# Altium PCB LKS_EVB_MVPOWPRE_V5.0.PcbDoc (part 2 of 2)
Units mil, origin at the board's own origin, x right, y up, seen from the top; angles counter-clockwise.
Board outline 11300 x 7874.02 mil, 2 copper layers (Top Layer, Bottom Layer); 150 components, 96 nets, 404 pads, 334 vias.
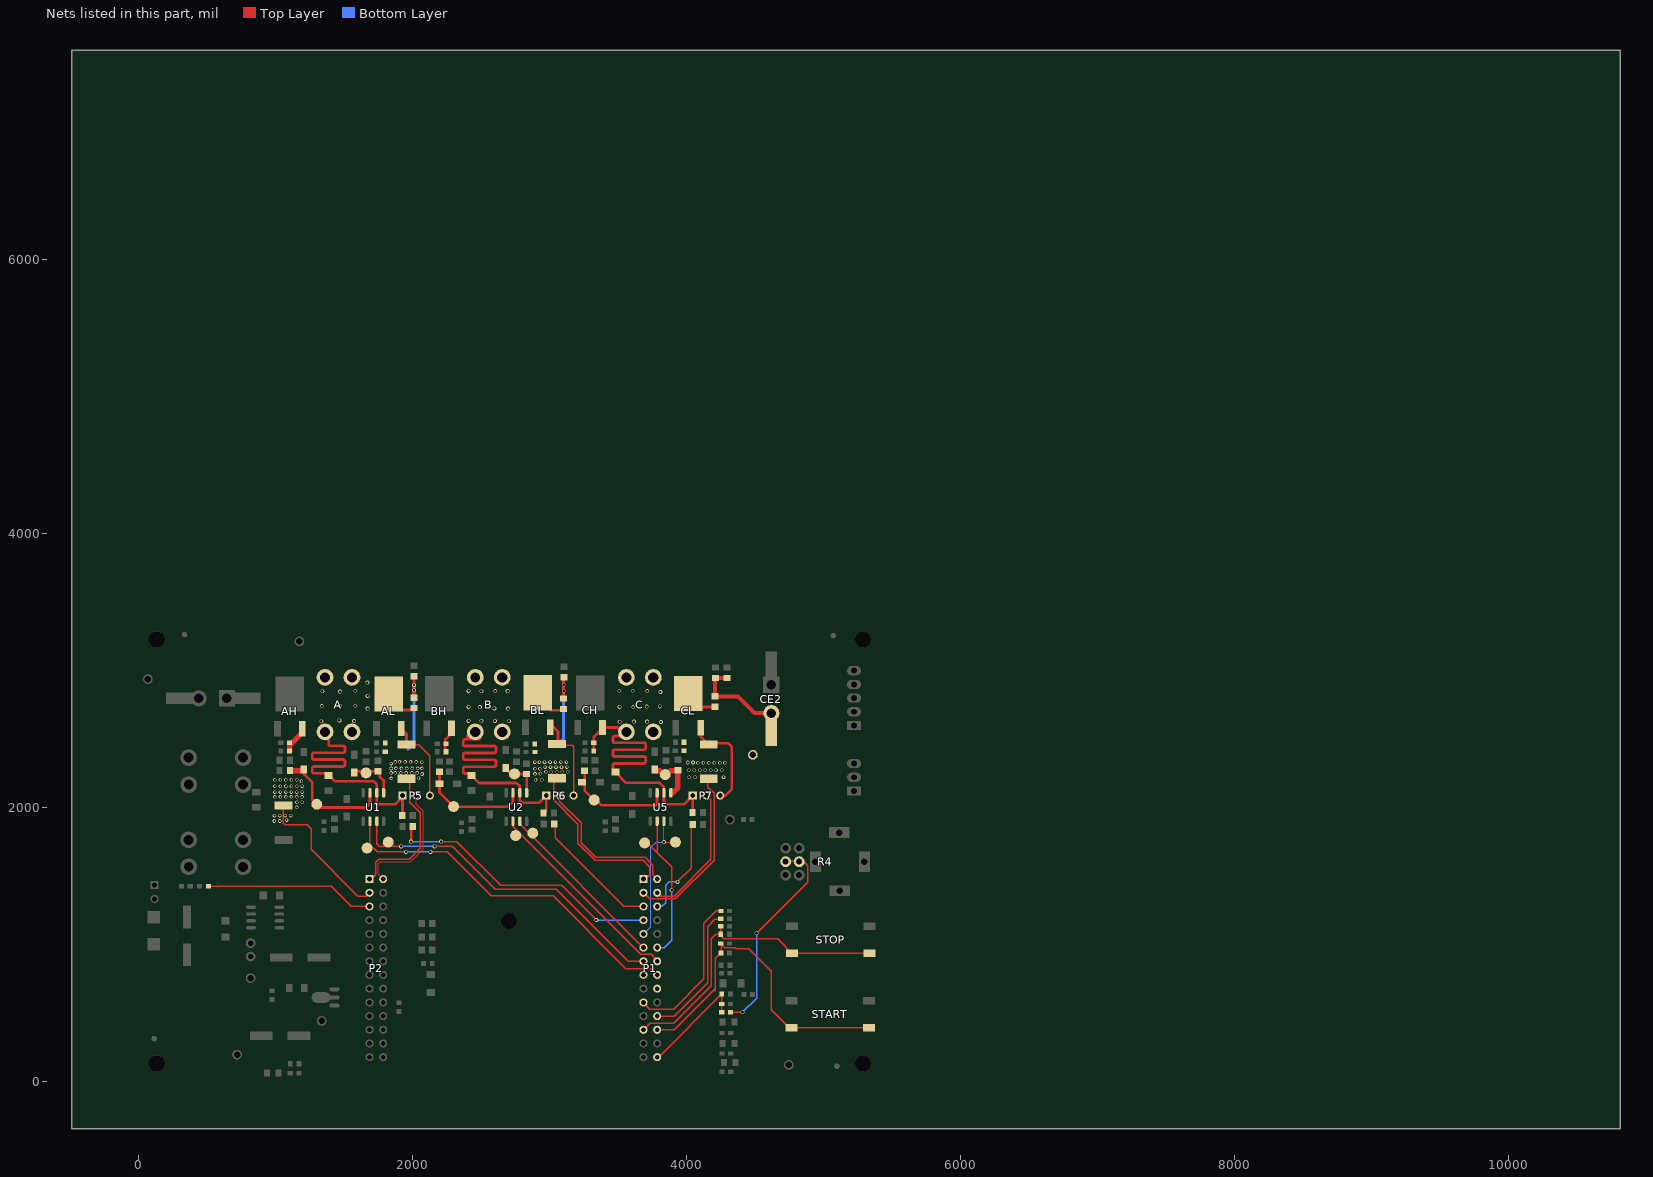
[diagram p2: the nets of this part, all layers, seen from the top]

## Via types
v1: diameter 26, hole 16, Top Layer to Bottom Layer, 130 vias
v2: diameter 28, hole 18, Top Layer to Bottom Layer, 77 vias
v3: diameter 26, hole 18, Top Layer to Bottom Layer, 55 vias
v4: diameter 28, hole 20, Top Layer to Bottom Layer, 54 vias
v5: diameter 23.62, hole 15.75, Top Layer to Bottom Layer, 14 vias
v6: diameter 27.99, hole 20, Top Layer to Bottom Layer, 4 vias

## Nets (pads, with @x,y where several pads share a name; then routed paths per layer and width w, separated by ;. In a path a pad name is that pad's centre, name@x,y a point inside that pad or via, vN(x,y) a via of type N, cw(c..) or ccw(c..) an arc to the next point about the centre after c; other vN are vias at no path point) (continued)
PGND: C25.1 C26.1 C27.1 CE2.2 G1.1 P1.1 P1.2 P2.1 P2.2 R15.2 R16.1 R17.2 R28.1 R29.1 R30.1 R49.2 R69.1 | length 6483
  Top Layer w10: R69.1@1054.64,2011.11 1054.64,1884.12 1067.42,1871.33 1228.67,1871.33 1256.18,1843.82 1256.18,1692.96 1598.21,1350.93 1661.68,1350.93 ; P2.1@1692.67,1471.01 1727.92,1506.26 1727.92,1597.92 1751.19,1621.19 1974.19,1621.19 2054.38,1701.38 2054.38,1959.09 1975.85,2037.61 R15.2@1975.85,2199.1 ; R16.1@3026.4,2195.53 3026.4,2052.72 3204.47,1874.66 3204.47,1735.48 3329.09,1610.86 3682.02,1610.86 3730.05,1562.83 3730.05,1508.37 3696.87,1475.19 P1.1@3682.62,1475.19 ; P1.2@3682.62,1375.19 3727.73,1330.08 3915.11,1330.08 4197.64,1612.61 4197.64,2100.51 4150.95,2147.2 4150.83,2147.2 R17.2@4150.83,2198.71
  Top Layer w20: R28.1@2007.36,2802.08 C25.1@2007.36,2941.01 ; R29.1@3099.13,2793.46 C26.1@3099.13,2931.12
  Top Layer w30: C27.1@4203.92,2942.41 4203.92,2808.13 4372.39,2808.13 4494.4,2686.11 CE2.2@4615.74,2686.11 ; C27.1@4204.13,2942.2 R49.2@4303.26,2942.2
  Bottom Layer w20: 1963.13,2423.19 2007.36,2467.42 v2@2007.36,2889.83 ; 3067.37,2467.7 3099.18,2499.51 v3(3099.18,2893.01)
  other v1: 988.91,1899.15 1027.94,1899.15 1077.76,1905.51 988.91,1938.79 1027.94,1938.79 1067.42,1938.79 1108.08,1938.79 1152.21,1998 1152.65,2036.08 1191.44,2036.08 992.21,2075.37 1032.21,2075.37 1072.21,2075.37 1112.21,2075.37 1152.21,2075.37 1192.21,2075.37 992.21,2110 1032.21,2110 1072.21,2110 1112.21,2110 1152.21,2110 1192.21,2110 992.21,2153.24 1032.21,2153.24 1072.21,2153.24 1112.21,2153.24 1152.21,2153.24 1191.44,2153.63 1186,2190 992.21,2200.54 1032.21,2200.54 1072.21,2200.54 1112.21,2200.54 1152.21,2200.54 2895.06,2200.54 2940,2200.54 1842.79,2210 2041.26,2211.01 4016.05,2217.85 4060,2217.85 4266.76,2220 2066.55,2242 2890.81,2242.5 2930,2244.54 1840,2250 1870.86,2250 1910.86,2250 1950.86,2250 1990.86,2250 2030.86,2250 2970,2259.16 3010,2259.16 3050,2259.16 3090,2259.16 3130,2259.16 4012.91,2269.54 4052.91,2269.54 4092.91,2269.54 4132.91,2269.54 4172.91,2269.54 4212.91,2269.54 4254.12,2269.54 2890,2280.93 2926.25,2280.93 1840.91,2282.5 1875.17,2283.1 1915.17,2283.1 1955.17,2283.1 1995.17,2283.1 2035.17,2283.1 2065,2283.1 2964.02,2292.27 3004.02,2292.27 3044.02,2292.27 3084.02,2292.27 3124.02,2292.27 1840,2318 4080,2324.18 4120,2324.18 4160,2324.18 4200,2324.18 4240,2324.18 4277.03,2324.43 4006,2326 4044,2326 2065,2328 2890,2329.16 2923.26,2329.16 2960,2329.16 3000,2329.16 3040,2329.16 3080,2329.16 3120,2329.16 2024.05,2330.26 1870.86,2330.6 1902.23,2330.6 1942.23,2330.6 1982.23,2330.6
  other v2: 2007.36,2853.62 2007.36,2892.65
  other v3: 3099.19,2849.89
PU: P1.4 R55.1 | length 2039.3
  Top Layer w10: v2(2204.99,1749.27) 2321,1749.27 2639.29,1430.98 3085.99,1430.98 3339,1177.97 v2(3339,1176.63)
  Top Layer w20: v2(1986.61,1749.27) R55.1@1986.61,1854.53
  Bottom Layer w10: v2(1986.61,1749.27) v2(2204.99,1749.27) ; v2(3339,1176.63) 3339.72,1175.91 3681.9,1175.91 P1.4@3682.23,1175.58
PV: P1.3 R59.1 | length 928.2
  Top Layer w10: 3037.12,1850.89 3037.12,1775.34 3537.27,1275.19 P1.3@3682.62,1275.19
PW: P1.17 R61.1 | length 758.7
  Top Layer w10: v2(3930.83,1454.77) 4031.4,1555.34 R61.1@4031.4,1874.57
  Bottom Layer w10: P1.17@3782.62,1275.19 3817.4,1275.19 3845.92,1303.71 3845.92,1431.14 3869.56,1454.77 v2(3930.83,1454.77)
RXD0: P1.25 R9.1 | length 1002.1
  Top Layer w10: P1.25@3782.62,475.19 3906.46,475.19 4150,718.73 4150,1127.58 4202.9,1180.48 R9.1@4253.03,1180.48
RXD1: P1.23
SPIN: C19.2 P1.28 R42.2 R43.2 | length 796.1
  Top Layer w10: P1.28@3782.62,175.19 3792.98,175.19 C19.2@4254.37,636.63 ; R42.2@4254.37,503.95 C19.2@4254.37,636.63 ; C19.2@4254.76,636.97 C19.2@4254.37,636.63
START1: C2.2 P1.26 R7.2 START.2 START.4 | length 2400.7
  Top Layer w10: P1.26@3782.62,375.19 3907.1,375.19 4203.83,671.92 ; 4206.88,657.72 4206.88,895.59 4242.39,931.1 C2.2@4254.41,931.1 ; C2.2@4250.17,938.74 R7.2@4250.17,994.53 ; R7.2@4250.68,996.98 4273.94,973.72 4350.97,973.72 4356.31,968.39 4451.82,968.39 4616.45,803.76 4616.45,520.71 START.2@4762.71,374.44 ; START.2@4764.7,389.13 START.4@5329.64,389.13
STOP1: C3.1 P1.12 R13.1 STOP.2 STOP.4 | length 2268
  Top Layer w10: P1.12@3682.62,375.19 3684.11,375.19 3732.88,423.96 3904.57,423.96 4178.27,697.66 4178.27,1040.69 4209.96,1072.38 C3.1@4247,1072.38 ; R13.1@4247.41,1122.52 4247.41,1062.67 C3.1@4246.51,1061.77 ; STOP.2@4765.66,933.83 4660.82,1038.67 4345.16,1038.67 4269.6,1038.67 C3.1@4246.51,1061.77 ; STOP.2@4766.4,933.98 STOP.4@5333.33,933.98 ; C3.1@4246.51,1061.77 4246.51,1062.82 4252.77,1061.77 C3.1@4246.51,1061.77
TXD0: P1.10 R12.2 | length 1120.6
  Top Layer w10: P1.10@3682.62,575.19 3682.62,573.73 3729.86,526.49 3902.86,526.49 4123.15,746.78 4123.15,1153.46 4212.07,1242.38 R12.2@4247.38,1242.38
TXD1: P1.8
U_N: P1.7 T2.1 U1.3 | length 2466.8
  Top Layer w10: U1.3@1736.11,1897.79 1736.11,1732.69 1755.5,1713.3 v2(1913.52,1713.3) ; v2(2157.85,1713.3) 2286.7,1713.3 2600,1400 3045.72,1400 3570.53,875.19 P1.7@3682.62,875.19
  Bottom Layer w10: v2(1913.52,1713.3) v2(2157.85,1713.3)
U_N-: D8.2 R22.2 T4.1 U1.5 | length 353
  Top Layer w20: D8.2@1571.43,2252.91 1581.52,2263 R22.2@1745.67,2263 1757.04,2251.63 1757.04,2223.35 1786.11,2194.28 U1.5@1786.11,2105.16
U_P: P1.22 T1.1 U1.2 | length 2665.2
  Top Layer w10: U1.2@1686.11,1897.79 1686.11,1726.5 1739.15,1673.47 v2(1949.5,1673.47) ; v2@2123.58,1673.47 2251.53,1673.47 2571.78,1353.22 3022.26,1353.22 3553.51,821.97 3735.84,821.97 P1.22@3782.62,775.19
  Bottom Layer w10: v2(1949.5,1673.47) v2(2126.92,1673.47)
U_P+: D3.2 R11.1 T3.1 U1.7 | length 890.9
  Top Layer w20: D3.2@1203.41,2271.83 1203.41,2241.95 1265.27,2180.09 1265.27,2054.14 T3.1@1297.78,2021.63 1321.4,1998 1655.72,1998 1686.11,2028.4 U1.7@1686.11,2104.79
  Top Layer w40: R11.1@1102,2266 1197.58,2266 1203.41,2271.83 D3.2@1203.41,2282.54
UI: AL.3 C11.2 P5.3 R15.1 R31.1 | length 657.8
  Top Layer w10: R15.1@1953.12,2457.26 2041.26,2457.26 2124.05,2374.46 P5.3@2124.05,2084.61
  Top Layer w20: AL.3@1907.6,2590.59 1907.6,2578.05 1953.12,2532.53 R15.1@1953.12,2446.68
UP: P2.15 P5.2 | length 898.4
  Top Layer w8: P2.15@1782.62,1475.19 1748.06,1509.75 1748.06,1586.91 1763.28,1602.13 1982.13,1602.13 2074.06,1694.06 2074.06,1970.06 2024.05,2020.07 P5.2@2024.05,2075.37
UX: A.1 AH.3 AL.2 C7.2 C28.2 P5.1 R1.2 R21.1 R28.2 U1.6 | length 2430.4
  Top Layer w20: R21.1@1098.67,2469.24 R21.1@1099.35,2469.91 ; A.1@1364.68,2508.84 1384.47,2489.06 1384.47,2462.5 ccw(c1399.47,2462.5) 1399.47,2447.5 1489.47,2447.5 cw(c1489.47,2432.5) 1504.47,2432.5 1504.47,2412.5 cw(c1489.47,2412.5) 1489.47,2397.5 1279.47,2397.5 ccw(c1279.47,2382.5) 1264.47,2382.5 1264.47,2362.5 ccw(c1279.47,2362.5) 1279.47,2347.5 1489.47,2347.5 cw(c1489.47,2332.5) 1504.47,2332.5 1504.47,2312.5 cw(c1489.47,2312.5) 1489.47,2297.5 1279.47,2297.5 ccw(c1279.47,2282.5) 1264.47,2282.5 1264.47,2262.5 ccw(c1279.47,2262.5) 1279.47,2247.5 1369.47,2247.5 cw(c1369.47,2232.5) 1384.46,2232.69 cw(c1369.47,2232.5) C28.2@1384.47,2232.5 ; C28.2@1382.65,2230.41 1387.65,2230.41 1428.06,2190 1710.52,2190 1736.11,2164.41 U1.6@1736.11,2104.79 1736.11,2035.15 1750.16,2021.1 1869.78,2021.1 1924.05,2075.37 R1.2@1924.05,1940.22 ; AL.2@1850.99,2777.28 1850.99,2759.79 1900.57,2710.21 R28.2@1998.27,2710.21 ; P5.1@1924.05,2071.07 P5.1@1925.47,2072.49
  Top Layer w40: C7.2@1099.35,2411.48 1099.35,2450.31 1191.38,2542.35 AH.3@1191.38,2573.85
  other v2: 1331.6,2627.07 1570.26,2628.61 1462.48,2633.23 1668.8,2720 1333.91,2737.93 1467.87,2737.93 1578.73,2740 1668.8,2812.61 1467.87,2843.4 1338.53,2845.71 1578.73,2849.56 1667.66,2908.9
V_N: P1.6 T6.1 U2.3 | length 1314.9
  Top Layer w10: U2.3@2779.94,1901 2779.94,1877.87 P1.6@3682.62,975.19 ; P1.6@3690.59,972.72 P1.6@3690.59,987.92
V_N-: D10.2 R24.2 T8.1 U2.5 | length 307.6
  Top Layer w20: D10.2@2677.05,2286.97 2677.05,2281.46 2716.51,2242 R24.2@2829.94,2242 U2.5@2829.94,2109.17
V_P: P1.21 T5.1 U2.2 | length 1495.7
  Top Layer w10: U2.2@2729.94,1901 2729.94,1859.76 3663.93,925.77 3738.92,925.77 P1.21@3780.36,884.34
V_P+: D9.2 R23.1 T7.1 U2.7 | length 812
  Top Layer w20: R23.1@2193.35,2257.93 D9.2@2193.35,2169.59 2193.35,2107.33 T7.1@2296.5,2004.18 2296.9,2003.78 2691.84,2003.78 2729.94,2041.88 U2.7@2729.94,2104.79 U2.7@2729.94,2108
VI: BL.3 C20.2 P6.3 R16.2 R45.1 | length 647.2
  Top Layer w10: R16.2@3069.22,2452.72 3162.43,2452.72 3172.79,2442.37 P6.3@3172.79,2084.61
  Top Layer w20: BL.3@2998.69,2592.01 3018.44,2592.01 3058.8,2551.65 R16.2@3058.8,2446.89
VOL_ADC: P2.3 R75.2 | length 1241.3
  Top Layer w10: R75.2@502.86,1423.85 1402.56,1423.85 1551.22,1275.19 P2.3@1682.62,1275.19
VP: P1.15 P6.2 | length 1113.8
  Top Layer w10: P6.2@3072.79,2084.61 3072.79,2040.53 3228.42,1884.9 3228.42,1741.58 3335.36,1634.64 3694.4,1634.64 3751.62,1577.42 3751.62,1506.19 P1.15@3782.62,1475.19
VX: B.1 BH.3 BL.2 C16.2 C29.2 P6.1 R2.2 R29.2 R39.1 U2.6 | length 2533.7
  Top Layer w20: C16.2@2236.13,2404.29 2236.13,2494.84 BH.3@2282.81,2541.52 ; 2397.09,2515.18 2416.34,2495.93 ; C29.2@2426.51,2232.17 2482.68,2176 2756.51,2176 2779.94,2152.57 2779.94,2048.48 2795.9,2032.51 2920.7,2032.51 P6.1@2972.79,2084.61 2972.79,1977.87 R2.2@2952.16,1957.24 ; C29.2@2432.64,2230.24 2416.95,2245.93 2381.33,2245.93 cw(c2381.33,2260.93) 2366.33,2260.93 2366.33,2280.93 cw(c2381.33,2280.93) 2381.33,2295.93 2591.33,2295.93 ccw(c2591.33,2310.93) 2606.33,2310.93 2606.33,2330.93 ccw(c2591.33,2330.93) 2591.33,2345.93 2381.33,2345.93 cw(c2381.33,2360.93) 2366.33,2360.93 2366.33,2380.93 cw(c2381.33,2380.93) 2381.33,2395.93 2591.33,2395.93 ccw(c2591.33,2410.93) 2606.33,2410.93 2606.33,2430.93 ccw(c2591.33,2430.93) 2591.33,2445.93 2381.33,2445.93 cw(c2381.33,2460.93) 2366.33,2460.93 2366.33,2480.93 cw(c2381.33,2480.93) 2381.33,2495.93 2416.34,2495.93 ; B.1@2486.33,2502.19 cw(c2480.08,2502.19) 2480.08,2495.93 2416.34,2495.93 ; BL.2@2958.42,2755.46 3006.07,2707.81 R29.2@3099.15,2707.81
  other v2: 2700.76,2626.75 2406.43,2630 2597.97,2629.4 2498.97,2631.15 2694.72,2719.23 2594.23,2720.88 2488.8,2730.76 2406.43,2732.41 2499.51,2846.07 2600,2846.9 2690.6,2846.9 2406.43,2848.55
W_N: P1.5 T10.1 U5.3 | length 998
  Top Layer w7.87: U5.3@3832.06,1894.22 v2(3832.06,1745.36) T10.1@3915.7,1745.36
  Bottom Layer w7.87: P1.5@3682.62,1075.19 3735.91,1128.48 3735.91,1706.19 3775.07,1745.36 v2(3832.06,1745.36)
W_N-: D12.2 R26.2 T12.1 U5.5 | length 382.7
  Top Layer w20: U5.5@3882.06,2101.22 U5.5@3882.06,2104.79
  Top Layer w40: D12.2@3764.75,2275.04 3764.75,2269.53 3768.77,2265.51 3802.34,2265.51 3830.24,2237.61 T12.1@3841.07,2237.61 3851.89,2237.61 3881.29,2267 3930,2267 R26.2@3933,2270 3933,2142.37 3897,2106.37 ; T12.1@3846.44,2224 T12.1@3846.6,2224
W_P: P1.20 T9.1 U5.2 | length 1179.6
  Top Layer w10: T9.1@3691.07,1738.42 3713.42,1738.42 3798.2,1653.63 ; U5.2@3782.06,1894.22 3782.06,1669.09 3887.7,1563.44 v2(3887.7,1393.54)
  Bottom Layer w10: P1.20@3782.62,975.19 3835.62,975.19 3887.7,1027.28 v2(3887.7,1393.54)
W_P+: D11.2 R25.1 T11.1 U5.7 | length 775.6
  Top Layer w20: R25.1@3253,2266 3253,2121.87 T11.1@3322.69,2052.18 ; T11.1@3343.01,2044.95 3374.72,2013.23 3769.68,2013.23 3782.06,2025.61 U5.7@3782.06,2101.22
WI: C34.2 CL.3 P7.3 R17.1 R63.1 | length 720.1
  Top Layer w20: CL.3@4099.96,2578.67 4099.96,2517.38 R17.1@4159.26,2458.08 ; R17.1@4175.37,2465.89 4302.15,2465.89 4326.22,2441.82 4326.22,2130.48 4280.34,2084.61 P7.3@4242.39,2084.61
WP: P1.16 P7.2 | length 994.5
  Top Layer w10: P1.16@3782.62,1375.19 3806.76,1351.05 3907.8,1351.05 4175.37,1618.62 4175.37,2053.74 4144.5,2084.61 P7.2@4142.39,2084.61
WX: C24.2 C30.2 C.1 CH.3 CL.2 P7.1 R3.2 R30.2 R50.1 U5.6 | length 2780.2
  Top Layer w20: C24.2@3319.99,2409.07 3319.99,2512.3 CH.3@3384.66,2576.98 ; CH.3@3384.25,2581.28 3490.4,2581.28 C.1@3548.18,2523.5 ; C30.2@3474.41,2269.54 cw(c3474.41,2284.54) 3459.41,2284.54 3459.41,2304.54 cw(c3474.41,2304.54) 3474.41,2319.54 3684.41,2319.54 ccw(c3684.41,2334.54) 3699.41,2334.54 3699.41,2354.54 ccw(c3684.41,2354.54) 3684.41,2369.54 3474.41,2369.54 cw(c3474.41,2384.54) 3459.41,2384.54 3459.41,2404.54 cw(c3474.41,2404.54) 3474.41,2419.54 3684.41,2419.54 ccw(c3684.41,2434.54) 3699.41,2434.54 3699.41,2454.54 ccw(c3684.41,2454.54) 3684.41,2469.54 3474.41,2469.54 cw(c3474.41,2484.54) 3459.41,2484.54 3459.41,2504.54 cw(c3474.41,2504.54) 3474.41,2519.54 3570.95,2519.54 ccw(c3570.95,2528.01) C.1@3579.41,2528.01 ; C30.2@3477.64,2256.04 3555.68,2178 3799.22,2178 3831.29,2145.92 3831.29,2105.55 U5.6@3832.06,2104.79 3832.06,2041.06 3852.31,2020.81 3978.59,2020.81 P7.1@4042.39,2084.61 ; CL.2@4009.41,2830.64 4108.19,2731.86 R30.2@4205.02,2731.86 ; R3.2@4042.39,1966.26 P7.1@4042.39,2092.38
  other v2: 3810,2621.72 3507.98,2623.63 3612.44,2624.9 3708.42,2624.9 3608.08,2730.44 3507.98,2732.17 3706.46,2733.89 3801.38,2735.62 3806.55,2840.9 3709.91,2847.8 3506.26,2849.53 3604.63,2849.53
ZB: R4.3 R4.5 R42.1 | length 1528.1
  Top Layer w10: R42.1@4314.88,503.39 v4(4405,503.39) ; v4@4508.26,1080.84 4880,1452.58 4880,1572.7 4847.49,1605.2 R4.5@4817.62,1605.2 ; R4.3@4719.87,1604.09 R4.5@4816.46,1604.09
  Bottom Layer w10: v4(4405,503.39) 4508.01,606.39 v4@4508.01,1080.46
  other v4: 4508.07,1080.22
pads on no net: R4.0 U4.3 U4.6

## Polygon pours and split planes (outlines as drawn)
GND on Top Layer "Bottom Layer-No Net" (solid, remove dead copper, pour order 59): 232,989.63 661.77,989.63 661.77,613.23 661.77,565.92 710.33,500 728.74,475 882.77,475 882.77,23.48 881.64,25.01 306.12,25.01 232,25.01
PGND on Top Layer "PGND_L01_P084" (solid, pour order 84): 1800.67,2350.77 1800.67,2186.33 1828.68,2158.32 2088.73,2158.32 2100,2169.59 2100,2341.12 2091,2350.12
PGND on Top Layer "PGND_L01_P083" (solid, pour order 83): 2873,2350 2873,2165 2889.29,2148.71 3135.51,2148.71 3151,2164.2 3151,2348 3152,2349
PGND on Top Layer "PGND_L01_P082" (solid, pour order 82): 3979,2347 3979,2153 3997.39,2134.61 4284.6,2134.61 4301,2151 4301,2347
PGND on Top Layer "Bottom Layer-No Net" (solid, remove dead copper, pour order 68): 972.01,2219.44 972.01,1899.15 1221.02,1899.15 1221.02,2197.68 1221.02,2220.5
GND on Top Layer "Top Layer-No Net 1" (solid, remove dead copper, pour order 79): 1225,1097 1225,798 1405,798 1405,897.16 1405,1097
GND on Top Layer "Bottom Layer-No Net" (solid, remove dead copper, pour order 78): 620,650 663.17,606.83 706.07,606.83 1126.81,606.83 1145.52,588.12 1151.55,582.09 1151.55,388.12 1126.63,388.12 1038.68,300.17 863.74,125.24 720,125.24
+5V on Top Layer "Bottom Layer-No Net" (solid, remove dead copper, pour order 62): 1084.55,495.6 1348.8,495.6 1382.65,495.6 1373.61,484.59 1373.61,184.4 1084.55,184.4
+15V on Top Layer "Bottom Layer-No Net" (solid, remove dead copper, pour order 53): 675,948.95 675,631.45 981.93,631.45 1010.28,659.8 1054.68,704.2 1054.68,948.95
GND on Top Layer "Bottom Layer-No Net" (solid, remove dead copper, pour order 76): 836.51,1813.88 1108.08,1813.88 1125.59,1796.37 1128.6,1793.37 1128.6,1642.32 875.52,1642.32 832,1685.83
WI on Top Layer "Top Layer-No Net" (solid, remove dead copper, pour order 46): 3969.62,2639.07 4243.31,2639.07 4266.47,2639.07 4274.19,2631.35 4281.91,2623.63 4281.91,2504.41 4281.91,2431.51 4239.4,2389 3968.57,2389
VI on Top Layer "Top Layer-No Net" (solid, remove dead copper, pour order 51): 2920.78,2638.24 2924.02,2641.48 3100.86,2641.48 3126.25,2641.48 3130.93,2636.79 3140.7,2627.03 3140.7,2469.61 3140.7,2383.67 3136.03,2379 2880.76,2379 2880.76,2638.24
UI on Top Layer "Top Layer-No Net" (solid, remove dead copper, pour order 54): 1827.43,2629.4 1793.17,2595.14 1793.17,2397.5 1800.67,2390 2037.8,2390 2040.98,2393.17 2040.98,2516.3 2040.98,2623.29 2033.12,2631.15
WX on Top Layer "Bottom Layer-No Net" (solid, remove dead copper, pour order 69): 3491.39,3026.45 3459.81,2994.88 3459.81,2969.05 3459.81,2687.07 3424.66,2651.91 3392.37,2619.63 3392.37,2588.06 3392.37,2544.29 3398.11,2538.55 3438.29,2498.37 3719.55,2498.37 3809.95,2498.37 3828.61,2517.03 3834.35,2522.77 3834.35,2605.28 3834.35,2647.61 3847.97,2661.23 3858.02,2671.28 3934.79,2671.28 3983.58,2671.28 4013,2700.7 4018.74,2706.44 4018.74,2908.78 4018.74,2968.33 4010.85,2976.22 3993.63,2993.44 3820,2993.44 3787.71,2993.44 3753.99,3027.16
VX on Top Layer "Bottom Layer-No Net" (solid, remove dead copper, pour order 70): 2388.57,3013.8 2357,2982.22 2357,2956.39 2357,2674.42 2321.84,2639.26 2289.55,2606.97 2289.55,2575.41 2289.55,2531.64 2295.29,2525.9 2335.47,2485.72 2616.73,2485.72 2707.14,2485.72 2725.79,2504.37 2731.53,2510.11 2731.53,2592.62 2731.53,2634.96 2745.15,2648.58 2755.2,2658.63 2831.97,2658.63 2880.76,2658.63 2910.19,2688.05 2915.93,2693.79 2915.93,2896.13 2915.93,2955.68 2908.03,2963.57 2890.81,2980.79 2717.18,2980.79 2684.89,2980.79 2651.17,3014.51
UX on Top Layer "Bottom Layer-No Net" (solid, remove dead copper, pour order 71): 1300.98,3012.37 1269.41,2980.8 1269.41,2954.97 1269.41,2673 1234.25,2637.84 1201.96,2605.55 1201.96,2573.98 1201.96,2530.22 1207.7,2524.48 1247.88,2484.3 1529.14,2484.3 1619.55,2484.3 1638.2,2502.95 1643.94,2508.69 1643.94,2591.2 1643.94,2633.54 1657.56,2647.16 1667.61,2657.2 1744.38,2657.2 1793.17,2657.2 1822.6,2686.63 1828.34,2692.37 1828.34,2894.7 1828.34,2954.26 1820.44,2962.15 1803.22,2979.37 1629.59,2979.37 1597.3,2979.37 1563.58,3013.09
GND on Top Layer "Bottom Layer-No Net" (solid, remove dead copper, pour order 72): 1056.92,1729.18 1061.21,1729.18 1114.4,1652.94 1122.98,1640.65 1122.98,1538.59 1122.98,1529.98 1108.39,1509.08 1107.54,1510.31 740.39,1510.31 50.69,1510.31 -41.95,1643.11 22.4,1735.34 22.4,1908.71 22.4,1983.71 31.83,1997.24 39.54,2008.29 791,2008.29 823.61,2008.29 840.76,1983.71 865.63,1948.07 865.63,1759.92 865.63,1731.64 864.77,1730.41
GND on Top Layer "Bottom Layer-No Net" (solid, remove dead copper, pour order 66): 275.62,1983.9 225.61,2033.91 225.61,2175.26 225.61,2640.63 298.45,2713.47 450.68,2865.71 450.68,2959.22 450.68,3001.62 415.89,3036.41 401.75,3050.55 221.26,3050.55 126.66,3050.55 51.64,2975.52 19.02,2942.9 19.02,1982.81
+48V on Top Layer "Bottom Layer-No Net" (solid, remove dead copper, pour order 63): 653.24,3316.24 645.5,3316.24 614.5,3285.24 612.95,3283.69 612.95,2948.92 612.95,2807.88 535.45,2730.38 295.97,2490.89 295.97,2411.36 295.97,2157.73 313.82,2139.88 318.47,2135.23 653.24,2135.23 851.63,2135.23 871.78,2155.38 896.58,2180.18 896.58,2218.92 896.58,2673.04 941.52,2717.98 944.63,2714.88 1042.26,2714.88 1161.6,2714.88 1197.26,2750.54 1205,2758.28 1205,2959.76 1205,3035.71 1253.05,3083.76 1511.88,3083.76 1958.24,3083.76 1996.99,3045.01 2102.38,2939.62 2102.38,2869.87 2271.32,2869.87 2274.42,2872.97 2288.37,2886.92 2288.37,2978.36 2288.37,3004.71 2317.82,3034.16 2367.41,3083.76 2517.75,3083.76 3072.61,3083.76 3116,3040.36 3195.05,2961.31 3195.05,2891.57 3202.8,2891.57 3226.04,2868.32 3229.14,2865.22 3363.98,2865.22 3381.03,2865.22 3388.78,2872.97 3388.78,2952.01 3388.78,3031.06 3429.08,3071.36 3433.73,3076.01 4080.03,3076.01 4140.47,3076.01 4185.42,3031.06 4186.97,3032.61 4360.56,3032.61 4388.45,3032.61 4413.25,3007.81 4464.4,2956.66 4464.4,2928.77 4464.4,2893.12 4479.9,2877.62 4484.54,2872.98 4783.68,2872.98 4805.38,2872.98 4831.72,2899.32 4831.71,2899.33 4831.71,3268.18 4831.71,3300.75 4751.13,3381.33
PGND on Top Layer "Bottom Layer-No Net" (solid, remove dead copper, pour order 55): 4373.45,2728.34 4719.43,2728.34 4747.94,2699.83 4758.73,2689.04 4758.73,2397 4758.73,2394.69 4589.21,2225.16 4407.35,2225.16 4370.37,2225.16
GND on Top Layer "Bottom Layer-No Net" (solid, remove dead copper, pour order 48): 996,1130.83 1000.17,1135 1217.31,1135 1367,1135 1405,1097 1394,1086 1394,1032 1008,1032 996,1044
NetCE3_1 on Top Layer "Bottom Layer-No Net" (solid, remove dead copper, pour order 47): 250,1075.19 474.16,1075.19 474.58,1075.61 474.58,1193.58 533.31,1252.31 533.62,1252 747,1252 747,1365 745.61,1363.61 274.49,1363.61 250,1339.13
NetC1_2 on Top Layer "Bottom Layer-No Net" (solid, remove dead copper, pour order 50): 854,1131.07 853.93,1131 795,1131 765.03,1131 750.03,1116 727.03,1093 684,1093 597.92,1093 580,1075.08 580,992.01 580,990.52 600.15,970.37 600.52,970 891,970 892.79,970 910,987.21 910,1092.29
NetR34_1 on Top Layer "Bottom Layer-No Net" (solid, remove dead copper, pour order 52): 570,1228 548.62,1228 533.62,1213 528,1207.38 528,1159 528,1132.62 533.62,1127 546.62,1114 662,1114 701,1114 746,1159 746,1183 746,1210 728,1228
GND on Bottom Layer "Bottom Layer-No Net" (solid, remove dead copper, pour order 64): 1915.23,895.54 1795.55,895.54 1758.68,895.54 1590,726.86 1528.01,664.87 1528.01,239.87 1528.01,-10 1548.01,-30 5160,-30 5160,279.7 5460,279.7 5460,1775.36 5260,1975.36 5241.29,1994.07 4189.35,1994.07 4154.07,1994.07 4110,1950 3999.04,1839.04 3999.04,962.69 3931.89,895.54
PGND on Bottom Layer "PGND_L02_P085" (solid, pour order 85): 1349.35,2180.09 1347.98,2178.72 1347.98,2105 1127.09,1884.12 972.3,1884.12 972.3,2057.05 969.94,2059.41 1030.53,2120 1075,2120
GND on Bottom Layer "Bottom Layer-No Net" (solid, remove dead copper, pour order 65): 277.24,1643.78 227.22,1709.79 227.22,1896.32 227.22,2510.43 300.06,2606.55 452.29,2807.44 452.29,2930.83 452.29,2986.79 417.5,3032.71 403.37,3051.36 222.87,3051.36 128.28,3051.36 53.25,2952.36 20.63,2909.31 20.63,1642.35
GND on Bottom Layer "Top Layer-No Net 1" (solid, remove dead copper, pour order 81): 264,835 550,835 550,672.83 584,638.83 706,638.83 955.51,638.83 997.91,681.23 997.91,814 997.91,835 1430,835 1528.01,736.99 1528.01,275.19 1527.82,275 1527.63,275.19 264,275.19 264,275
GND on Bottom Layer "Top Layer-No Net 1" (solid, remove dead copper, pour order 80): 1005,1095.03 1164.97,1095.03 1165,1095 1354.98,1095 1365,1095 1487,973 1634.37,825.63 1634.37,723 1634.37,661.37 1576,603 1574.17,601.17 1100.87,601.17 1032.83,601.17 1005,629
GND on Bottom Layer "Top Layer-No Net 1" (solid, remove dead copper, pour order 74): 3961.39,1778.69 3197.31,1778.69 3195.67,1780.7 3193.71,1778.29 2731.04,1778.29 2223.29,1778.29 2221.75,1776.4 1868.65,1776.4 1681.46,1776.4 1585.07,1894.73 1584.01,1896.03 1343.84,1896.03 1343.84,1871.33 1310.41,1830.3 1309.71,1829.43 1094.38,1829.43 1094.38,1854.63 1197.81,1981.6 1333.94,2148.71 1362.02,2148.71 3960.59,2148.71 3961.93,2150.36
PGND on Bottom Layer "Top Layer-No Net" (solid, remove dead copper, pour order 73): 1007.88,1976.98 969.94,2014.92 969.94,2103.9 969.94,2423.65 990.45,2444.16 996.32,2450.02 1144.35,2450.02 1162.88,2450.02 1199.99,2412.92 1207.86,2405.05 1590.03,2405.05 1633.65,2405.05 1727.92,2499.32 1732.21,2503.6 2231.15,2503.6 2231.36,2503.6 2322.51,2412.46 2322.6,2412.37 2586.66,2412.37 2739.44,2412.37 2816.92,2489.85 2835.74,2508.67 3283.93,2508.67 3314.35,2508.67 3383.86,2439.16 3396.88,2426.13 3841.46,2426.13 3846.53,2426.13 3921.11,2500.71 3924.73,2504.33 4236.8,2504.33 4249.11,2504.33 4313.55,2568.77 4358.44,2613.66 4358.44,2691.86 4358.44,2717.93 4368.58,2728.06 4374.37,2733.85 4506.87,2733.85 4754.35,2733.85 4772.45,2715.75 4775.5,2712.7 4775.5,2313.9 4775.5,2208.19 4761.02,2193.7 4746.39,2179.08 4207.6,2179.08 1275.04,2179.08 1233.89,2137.93 1159.54,2063.58 1159.54,1992.53 1159.54,1990.77 1145.75,1976.98
+48V on Bottom Layer "Bottom Layer-No Net" (solid, remove dead copper, pour order 61): 650.66,3314.49 642.92,3314.49 611.92,3283.5 610.37,3281.95 610.37,2947.17 610.37,2806.13 532.87,2728.64 293.39,2489.15 293.39,2409.62 293.39,2155.99 311.24,2138.14 315.89,2133.49 650.66,2133.49 849.05,2133.49 869.2,2153.63 894,2178.43 894,2217.18 894,2671.29 938.94,2716.24 942.05,2713.13 1039.68,2713.13 1159.02,2713.13 1194.68,2748.8 1202.42,2756.54 1202.42,2958.02 1202.42,3033.97 1250.47,3082.01 1509.3,3082.01 1955.66,3082.01 1994.41,3043.26 2099.8,2937.87 2099.8,2868.13 2268.74,2868.13 2271.84,2871.23 2285.79,2885.18 2285.79,2976.62 2285.79,3002.97 2315.24,3032.42 2364.83,3082.01 2515.17,3082.01 3070.03,3082.01 3113.42,3038.62 3192.47,2959.57 3192.47,2889.83 3200.22,2889.83 3223.46,2866.58 3226.56,2863.48 3361.4,2863.48 3378.45,2863.48 3386.2,2871.23 3386.2,2950.27 3386.2,3029.32 3426.5,3069.61 3431.15,3074.26 4077.45,3074.26 4137.89,3074.26 4182.84,3029.32 4184.39,3030.87 4357.98,3030.87 4385.87,3030.87 4410.67,3006.07 4461.82,2954.92 4461.82,2927.02 4461.82,2891.38 4477.32,2875.88 4481.96,2871.24 4781.1,2871.24 4802.8,2871.24 4829.14,2897.58 4829.13,2897.58 4829.13,3266.44 4829.13,3299 4748.55,3379.59
GND on Bottom Layer "Bottom Layer-No Net" (solid, remove dead copper, pour order 67): 23.25,2043.25 23.25,1723.7 51.3,1690.85 354.75,1335.47 1216.66,1335.47 1220.49,1335.47 1234.51,1351.9 1233.24,1353.39 1233.24,1502.71 1233.24,1719.22 1256.19,1746.1 1168.21,1849.13 950.19,1849.13 922.14,1849.13 836.71,1949.18 786.98,2007.41 750.01,2007.41
GND on Bottom Layer "Top Layer-No Net" (solid, remove dead copper, pour order 75): 1220.49,1537.69 1312.19,1537.69 1329.57,1555.07 1336.52,1562.02 1336.52,1614.13 1336.52,1861.79 1389.25,1914.52 1397.32,1922.6 1397.32,1971.43 1198.12,1971.43 1168,1941.32 1132.2,1905.51 1132.2,1742.69
UX on Bottom Layer "Bottom Layer-No Net" (solid, remove dead copper, pour order 58): 1300.61,3010.77 1269.04,2979.2 1269.04,2977.76 1269.04,2671.39 1201.59,2603.95 1201.59,2528.61 1247.51,2482.69 1619.18,2482.69 1637.83,2501.35 1643.57,2507.09 1643.57,2631.93 1667.24,2655.6 1792.8,2655.6 1965.2,2655.6 1970,2660.4 1970,2670.4 1970,3000.4 1960,3010.4
VX on Bottom Layer "Bottom Layer-No Net" (solid, remove dead copper, pour order 57): 2390.21,3011.38 2358.64,2979.81 2358.64,2978.37 2358.64,2672 2291.2,2604.56 2291.2,2529.22 2337.12,2483.3 2708.78,2483.3 2727.44,2501.96 2733.18,2507.7 2733.18,2632.54 2756.84,2656.21 2882.41,2656.21 3054.8,2656.21 3059.61,2661.01 3059.61,2671.01 3059.61,3001.01 3049.61,3011.01
WX on Bottom Layer "Bottom Layer-No Net" (solid, remove dead copper, pour order 56): 3488.32,3023.43 3456.75,2991.86 3456.75,2990.43 3456.75,2684.05 3389.31,2616.61 3389.31,2541.27 3435.23,2495.35 3806.89,2495.35 3825.54,2514.01 3831.28,2519.75 3831.28,2644.59 3854.95,2668.26 3980.51,2668.26 4152.91,2668.26 4157.71,2673.06 4157.71,2683.06 4157.71,3013.06 4147.71,3023.06
PGND on Bottom Layer "Bottom Layer-No Net" (solid, remove dead copper, pour order 77): 1145.75,1976.98 1382.65,2213.87 1382.65,2247.5 1215.58,2247.5 1133.84,2165.76
+48V on Bottom Solder "Bottom Layer-No Net" (solid): 4541.89,2975.25 4556.88,2960.26 4556.88,2890.14 4796.03,2890.14 4802.03,2896.13 4822.41,2916.51 4822.41,2948.28 4822.41,3035.19 4781.05,3076.55
WX on Bottom Solder "Top Layer-No Net" (solid): 3493.83,3004.22 3481.35,2991.74 3481.35,2964.29 3481.35,2678.56 3433.93,2631.14 3427.69,2624.9 3427.69,2550.04 3427.69,2532.57 3447.66,2512.61 3448.91,2511.36 3743.38,2511.36 3777.07,2511.36 3792.04,2526.33 3800.77,2535.07 3800.77,2634.89 3800.77,2663.59 3823.23,2686.04 3859.42,2722.23 4067.79,2722.23 4085.26,2722.23 4097.74,2734.71 4097.74,2858.23 4097.74,2924.36 4081.52,2940.59 4069.04,2953.06 3953,2953.06 3785.8,2953.06 3733.39,3005.47
VX on Bottom Solder "Top Layer-No Net" (solid): 2393.81,2999.83 2381.33,2987.35 2381.33,2959.9 2381.33,2674.16 2333.92,2626.75 2327.68,2620.51 2327.68,2545.64 2327.68,2528.18 2347.64,2508.21 2348.89,2506.96 2643.36,2506.96 2677.05,2506.96 2692.02,2521.94 2700.76,2530.67 2700.76,2630.49 2700.76,2659.19 2723.22,2681.65 2759.4,2717.83 2967.78,2717.83 2985.24,2717.83 2997.72,2730.31 2997.72,2853.84 2997.72,2919.97 2981.5,2936.19 2969.02,2948.67 2852.98,2948.67 2685.78,2948.67 2633.38,3001.07
UX on Bottom Solder "Top Layer-No Net" (solid): 1316.08,2991.56 1303.6,2979.08 1303.6,2951.63 1303.6,2665.9 1256.18,2618.48 1249.94,2612.24 1249.94,2537.38 1249.94,2519.91 1269.91,2499.94 1271.16,2498.7 1565.63,2498.7 1599.32,2498.7 1614.29,2513.67 1623.02,2522.4 1623.02,2622.22 1623.02,2650.92 1645.48,2673.38 1681.67,2709.57 1890.04,2709.57 1907.51,2709.57 1919.99,2722.05 1919.99,2845.57 1919.99,2911.7 1903.77,2927.93 1891.29,2940.4 1775.25,2940.4 1608.05,2940.4 1555.64,2992.81
+48V on Bottom Solder "Top Layer-No Net" (solid): 688.48,3279.3 688.48,2905.73 688.48,2867.97 446.06,2625.55 404.33,2583.82 404.33,2373.19 404.33,2172.49 416.25,2160.57 726.24,2160.57 799.76,2160.57 823.61,2184.42 837.52,2198.33 837.52,2460.62 837.52,2643.43 913.02,2718.94 940.84,2746.76 1077.95,2746.76 1107.76,2746.76 1151.47,2790.48 1171.34,2810.35 1171.34,2985.21 1171.34,3028.93 1221.02,3078.6 1244.87,3102.45 2063.54,3102.45 4668.6,3102.45 4684.5,3118.34 4708.35,3142.19 4708.35,3267.38 4708.35,3291.22 4688.48,3311.09 4686.49,3313.08 3323.35,3313.08 702.26,3313.08 688.39,3299.21
+48V on Bottom Solder "Bottom Layer-No Net" (solid): 4371.83,3119.74 4412.02,3119.74 4486.15,3036.58 4541.58,2974.4 4782.01,2974.4 4804.18,2974.4 4827.74,3000.84 4835.36,3009.38 4835.36,3202.13 4835.36,3270.53 4812.49,3296.18 4797.43,3313.08 4652.33,3313.08
PGND on Bottom Solder "Top Layer-No Net" (solid): 1018.67,2406.75 996.43,2384.52 996.43,2291.93 996.43,2048.62 1021.51,2023.55 1034.38,2010.67 1121.13,2010.67 1152.99,2010.67 1174.67,2032.36 1199.86,2057.54 1199.86,2103.9 1199.86,2163.27 1236.35,2199.76 1240.53,2203.94 2292.63,2203.94 4693.43,2203.94 4732.6,2243.11 4735.57,2246.09 4735.57,2545.85 4735.57,2686.43 4727.39,2694.61 4721.44,2700.56 4481.93,2700.56 4435.07,2700.56 4414.25,2679.73 4394.91,2660.39 4394.91,2621.72 4394.91,2598.66 4351.02,2554.77 4287.05,2490.8 4209.7,2490.8 4208.81,2490.8 4124.4,2406.4

## Keep-outs
Keep-Out Layer:
  lines w5: 91.62,0.36 5330.64,0.36 ccw(c5330.64,84.52) 5414.8,84.52 5414.8,3267.95 ccw(c5328.19,3267.95) 5328.19,3354.57 86.84,3354.57 ccw(c86.84,3267.95) 0.23,3267.95 0.23,91.75 ccw(c91.97,91.74) 91.98,0.01
  lines w9.97: 9514.64,-290.47 9514.64,9.42 ; 9514.64,9.53 9514.64,309.42
  lines w10: -484.2,652.26 -439.2,652.26 ; -484.2,1652.26 -439.2,1652.26 ; -484.2,2652.26 -439.2,2652.26 ; -484.2,3652.26 -439.2,3652.26 ; -484.2,4652.26 -439.2,4652.26 ; -484.2,5652.26 -439.2,5652.26 ; -484.2,6652.26 -439.2,6652.26 ; 510.8,-347.74 510.8,-297.74 ; 510.8,7477.26 510.8,7527.26 ; 1510.8,-347.74 1510.8,-297.74 ; 1510.8,7477.26 1510.8,7527.26 ; 2510.8,-347.74 2510.8,-297.74 ; 2510.8,7477.26 2510.8,7527.26 ; 3510.8,-347.74 3510.8,-297.74 ; 3510.8,7477.26 3510.8,7527.26 ; 4510.8,-347.74 4510.8,-297.74 ; 4510.8,7477.26 4510.8,7527.26 ; 5510.8,-347.74 5510.8,-297.74 ; 5510.8,7477.26 5510.8,7527.26 ; 6510.8,-347.74 6510.8,-297.74 ; 6510.8,7477.26 6510.8,7527.26 ; 7510.8,-347.74 7510.8,-297.74 ; 7510.8,7477.26 7510.8,7527.26 ; 8510.8,-347.74 8510.8,-297.74 ; 8510.8,7477.26 8510.8,7527.26 ; 9510.8,-347.74 9510.8,-297.74 ; 9510.8,7477.26 9510.8,7527.26 ; 10510.8,-347.74 10510.8,-297.74 ; 10510.8,7477.26 10510.8,7527.26 ; 10765.8,652.26 10810.8,652.26 ; 10765.8,1652.26 10810.8,1652.26 ; 10765.8,2652.26 10810.8,2652.26 ; 10765.8,3652.26 10810.8,3652.26 ; 10765.8,4652.26 10810.8,4652.26 ; 10765.8,5652.26 10810.8,5652.26 ; 10765.8,6652.26 10810.8,6652.26

## Silkscreen, mask and mechanical layers (free items; w line width, h text height)
Top Overlay:
  drawing of 484 lines, arcs and shapes, not listed
  text "5414.571 (mil)" at 2313.1,3395.34 h60
  text "LKS _EVB_MVPOWPRE_V5.0" at 3326.55,3221.85 h40
  text "VCC" at 990,3190 h40
  text "HALL" at 5082.79,3113.94 h40
  text "V" at 2524.12,3084.71 h120
  text "U" at 1384.73,3076.89 h120
  text "W" at 3589.9,3069.62 h120
  text "5VH" at 4922.21,2969.31 h40
  text "HA" at 4964.94,2871.74 h40
  text "HB" at 4967.36,2773.37 h40
  text "HC" at 4969.06,2669.69 h40
  text "GND" at 4897.04,2574.61 h40
  text "RXD" at 4925.85,2297.07 h40
  text "PGND" at 4410.8,2270.41 h40
  text "TXD" at 4920.09,2194.32 h40
  text "VCC" at 210.02,2127.23 h80 r90
  text "GND" at 4916.24,2097.32 h40
  text "3354.573 (mil)" at -111.7,2065.85 h60 r270.09
  text "GND" at 4265.48,1973.1 h40
  text "跳帽连接右端是三电阻采样" at 2255.28,1671.89 h100
  text "跳帽连接左端是三相MOS内阻采样" at 2253.8,1575.25 h100
  text "GND" at 223.11,1564.45 h80 r90
  text "STOP" at 4816.56,1288.62 h40
  text "START" at 4814.59,740.64 h40
  text "15V" at 892.79,729.66 h40
  text "5V" at 1406.79,425.24 h40
  text "GND" at 663.95,275 h40
  text "GND" at 4826.57,106.22 h40
Bottom Overlay:
  drawing of 452 lines, arcs and shapes, not listed
Top Solder:
  circle w78.74: c5093.34,111.19 r17.13
  circle w78.74: c5066.78,3254.07 r17.13
  circle w78.74: c110.86,311.12 r17.13
  circle w78.74: c331.81,3261.97 r17.13
Mechanical 1:
  lines w5: 0.23,91.74 ccw(c91.97,91.74) 91.98,0.01 5330.64,0.36 ; 5414.8,84.52 5414.8,3267.95
  lines w9.97: 7272.19,14.42 10761.17,14.42 ; 7272.19,314.31 10761.17,314.31 ; 7272.19,614.2 10761.17,614.2 ; 7770.62,-285.47 7770.62,14.42 7770.62,314.31 7770.62,614.2 7770.62,914.09 ; 8468.42,-285.47 8468.42,14.42 8468.42,314.31 8468.42,614.2 8468.42,914.09 ; 9066.53,14.42 9066.53,314.31 9066.53,614.2 9066.53,914.09
  lines w10: -489.2,7526.27 -489.2,-347.74 10810.01,-347.74 ; -489.2,7527.26 10810.01,7527.26 ; 10810.8,-347.74 10810.8,7526.27 ; -439.2,-297.74 -439.2,7477.26 10760.8,7477.26 10760.8,-297.74 -439.2,-297.74
  lines w29.91: 7272.19,-285.47 10761.17,-285.47 10761.17,914.09 7272.19,914.09 7272.19,-285.47
  text "Design" at 7360.8,732.26 h60
  text "LiuHZ" at 7980.8,732.26 h60
  text "File Name" at 8515.8,732.26 h60
  text "LKS_EVB_MVPOWPRE_V5.0" at 9153,731 h60
  text "LKS Mid. Volt. Demo" at 9165.8,487.26 h60
  text "Check" at 7390.8,432.26 h60
  text "Project" at 8595.8,432.26 h60
  text "Power Base Plate" at 9165.8,377.26 h60
  text "Version" at 8590.8,132.26 h60
  text "V4.0" at 9200.8,127.26 h60
  text "2022/04/22" at 9685.8,122.26 h60
  text "Walt" at 8000.8,117.26 h60
  text "Standard" at 7300.8,112.26 h60
  text "Page   of" at 8650.8,-147.74 h60
  text "Approve" at 7315.8,-162.74 h60
  text "Linko Semiconductor" at 9585.8,-172.74 h60

## Text inside footprints (layer, text, board x,y; h text height)
1: Top Overlay "LINKO SEMICONDUCTOR" at 3959.01,1289.89 h70
P1: Top Overlay "28" at 3757.62,115.19 h51.18 r270; Top Overlay "14" at 3657.62,115.19 h51.18 r270; Top Overlay "15" at 3757.62,1615.19 h51.18 r270; Top Overlay "1" at 3652.52,1554.35 h51.18 r270
P2: Top Overlay "1" at 1652.62,1570.19 h51.18 r270; Top Overlay "15" at 1757.62,1615.19 h51.18 r270; Top Overlay "14" at 1657.62,115.19 h51.18 r270; Top Overlay "28" at 1757.62,115.19 h51.18 r270